# Altium PCB 200330 PI-CANTROLLER R0.PcbDoc (part 1 of 2) (continued)
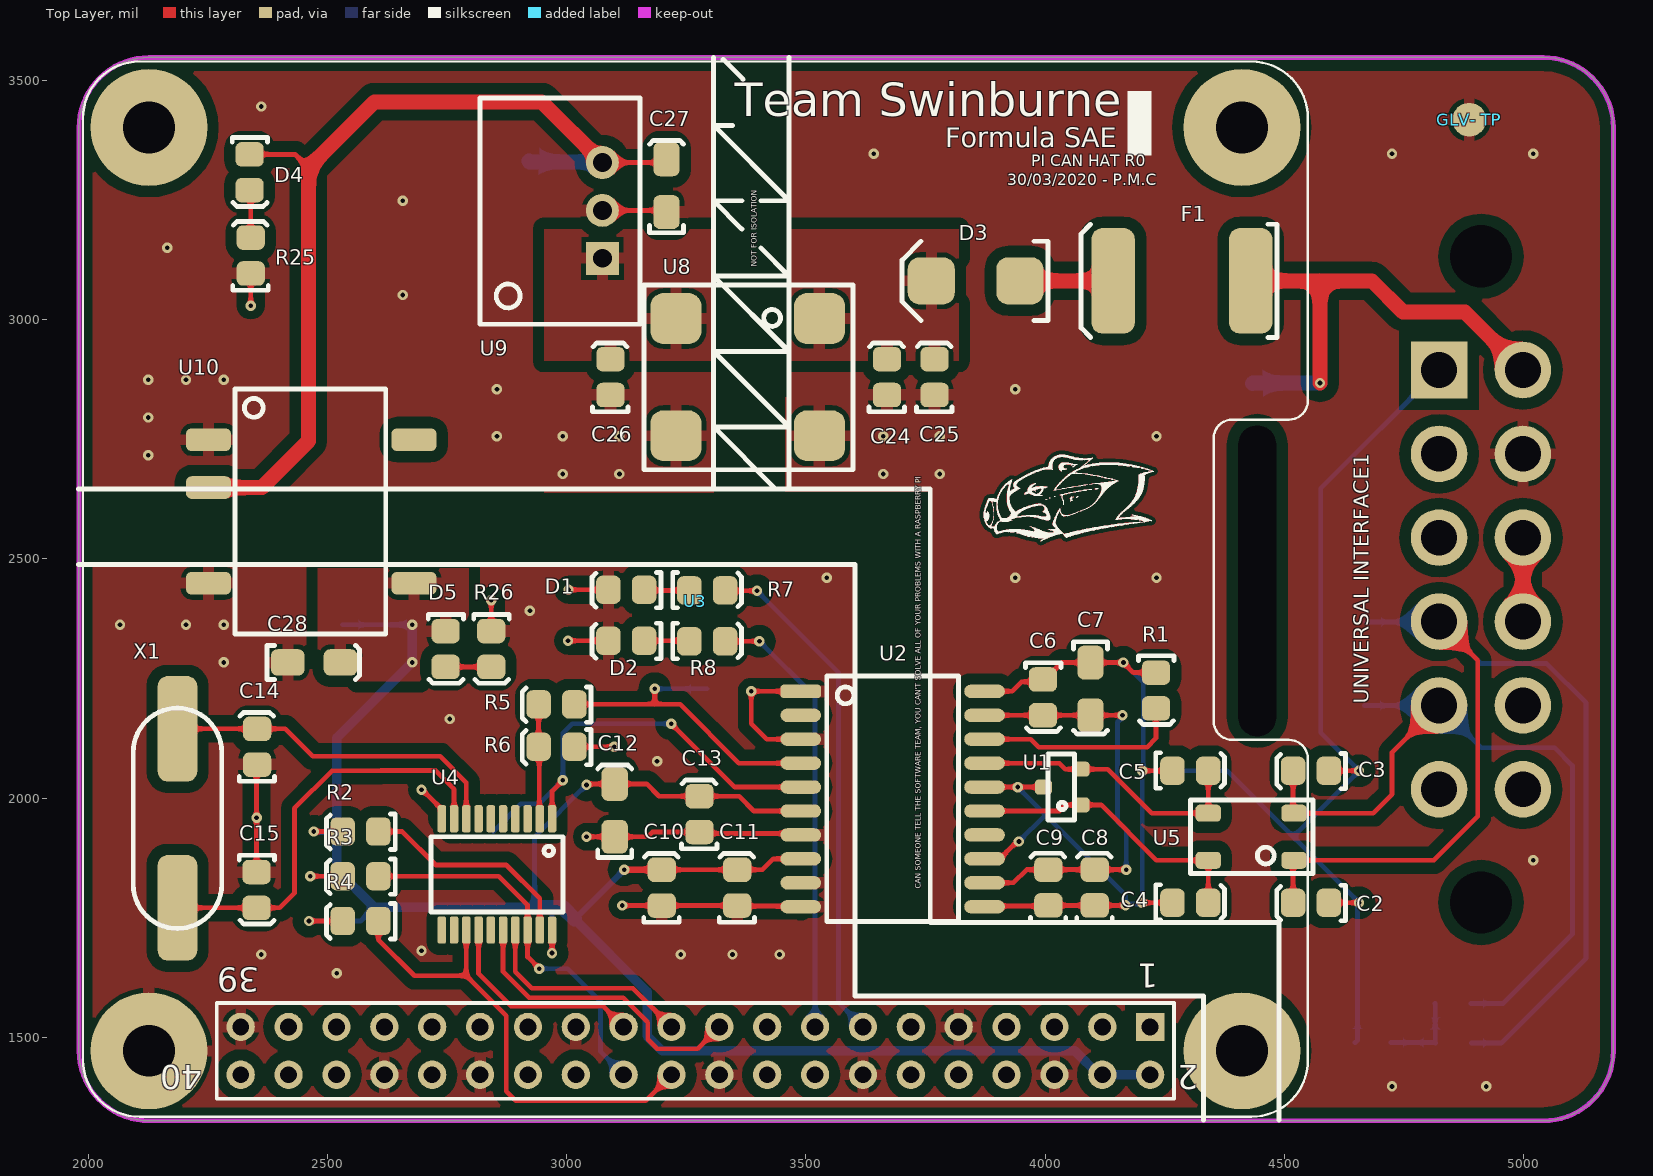
[diagram p0: Top Layer view]
## Nets (pads, with @x,y where several pads share a name; then routed paths per layer and width w, separated by ;. In a path a pad name is that pad's centre, name@x,y a point inside that pad or via, vN(x,y) a via of type N, cw(c..) or ccw(c..) an arc to the next point about the centre after c; other vN are vias at no path point) (continued)
  Bottom Layer w31.5: 2933.07,1771.65 2970.47,1771.65 2992.13,1771.65 3016.73,1747.05 ; U3.4@4111.61,1421.98 U3.4@4119.07,1421.98
12V/24V: C26.2 U8.2 U9.1
CAN1H: "CAN TERM R1.2" "CANL TP1.1" "UNIVERSAL INTERFACE1.5" C3.2 U5.2 | length 1648.7
  Top Layer w10: C3.2@4517.72,2057.09 4517.72,1970.47 U5.2@4519.69,1968.5 4685.04,1968.5 4724.41,2007.87 4724.41,2095.43 4822.64,2193.66
  Bottom Layer w10: 4666.34,2192.91 4666.71,2193.29 4822.26,2193.29 4822.64,2193.66 4910.98,2105.32 5063.98,2105.32 5101.38,2067.91 5101.38,1715.55 4956.74,1570.91 4889.29,1570.91
CAN1L: "CAN TERM R2.1" "CANH TP1.1" "UNIVERSAL INTERFACE1.4" C2.2 U5.1 | length 2331.7
  Top Layer w10: C2.2@4517.72,1781.5 4517.72,1868.11 U5.1@4519.69,1870.08 4812.01,1870.08 4903.54,1961.61 4903.54,2287.95 4822.64,2368.86
  Bottom Layer w10: 4668.31,2367.13 4669.17,2367.99 4821.77,2367.99 4822.64,2368.86 4910.4,2281.1 5047.64,2281.1 5129.92,2198.82 5129.92,1665.35 4952.76,1488.19 4889.76,1488.19
CAN2H: "UNIVERSAL INTERFACE1.3"
CAN2L: "UNIVERSAL INTERFACE1.2"
CAN3H: "UNIVERSAL INTERFACE1.7"
CAN3L: "UNIVERSAL INTERFACE1.6"
CANS: "UNIVERSAL INTERFACE1.1" C1.1 C2.1 C3.1 C4.1 C5.1 C6.1 C7.1 C8.1 C9.1 R1.1 U1.3 U2.11 U2.13 U2.16 U2.20 | length 4157.1
  Top Layer w10: U2.11@3873.12,1773.03 3874.5,1774.41 4005.05,1774.41 C9.1@4006.43,1775.79 C8.1@4103.39,1775.79 v1(4167.52,1775.79) ; U2.13@3873.08,1873.03 3905.02,1873.03 3941.44,1909.45 v1(3944.88,1909.45) ; U2.16@3873.08,2023.03 v1(3942.32,2023.03) U1.3@3996.06,2023.03 ; U2.20@3873.08,2223.03 3930.58,2223.03 3950.5,2242.95 3990.15,2242.95 C6.1@3995.03,2247.83 3998.97,2247.83 4034.41,2283.27 C7.1@4094.49,2283.27 v1(4163.19,2283.27) 4184.18,2262.28 R1.1@4231.25,2262.28 ; v1(4202.76,1781.5) C4.1@4265.75,1781.5 ; v1(4202.76,2057.09) C5.1@4265.75,2057.09 ; C2.1@4592.52,1781.5 v1(4655.51,1781.5) ; C3.1@4592.52,2057.09 v1(4655.51,2057.09)
  Bottom Layer w10: v1(3942.32,2023.03) 4002.36,1962.99 ; v1(3944.88,1909.45) 3998.43,1962.99 4002.36,1962.99 ; v1(4163.19,2283.27) 4204.72,2241.73 4204.72,2059.06 v1(4202.76,2057.09) ; C1.1@4647.17,1489.22 4652.45,1494.5 4652.45,1778.43 v1(4655.51,1781.5) 4517.72,1919.29 ; 4822.64,2894.45 4575.61,2647.43 4575.61,2136.98 v1(4655.51,2057.09) 4517.72,1919.29 ; 4002.36,1962.99 4167.52,1797.83 v1(4167.52,1775.79) 4170.38,1778.64 4199.9,1778.64 v1(4202.76,1781.5) v1(4202.76,2057.09) ; v1(4202.76,2057.09) 4379.92,2057.09 4517.72,1919.29
CE0: R3.1 U3.24 U4.18 | length 808.8
  Top Layer w10: R3.1@2606.77,1836.66 2858.22,1836.66 2918.31,1776.57 U4.18@2918.31,1724.41 2918.31,1668.3 v1(2942.91,1643.7)
  Bottom Layer w10: v1(2942.91,1643.7) 3001.97,1643.7 3070.87,1574.8 3070.87,1470.19 U3.24@3119.07,1421.98
CLK: U3.23 U4.14 | length 440.6
  Top Layer w10: U4.14@2815.94,1724.41 2815.94,1632.87 2883.86,1564.96 3076.09,1564.96 U3.23@3119.07,1521.98
GLV+: "GLV+ TP.1" "UNIVERSAL INTERFACE1.12" F1.1 | length 1000.6
  Top Layer w31.5: F1.1@4429.13,3080.71 4573.82,3080.71 ; v1(4573.82,2867.13) 4573.82,3080.71 ; 4997.83,2894.45 4876.54,3015.75 4747.05,3015.75 4682.09,3080.71 4573.82,3080.71
  Bottom Layer w31.5: 4433.07,2866.14 4434.06,2867.13 v1(4573.82,2867.13)
GLV-: "GLV- TP.1" "UNIVERSAL INTERFACE1.11" C24.1 C25.1 U8.4
  other v1: 4724.41,1397.64 4921.26,1397.64 5019.69,1870.08 3937.01,2460.63 4232.28,2460.63 3661.42,2677.17 3779.53,2677.17 3661.42,2755.91 3779.53,2755.91 4232.28,2755.91 3937.01,2854.33 3641.73,3346.46 4724.41,3346.46 5019.69,3346.46
"Green In": "UNIVERSAL INTERFACE1.9" "UNIVERSAL INTERFACE1.10" | length 175.2
  Top Layer w31.5: 4997.83,2368.86 4997.83,2544.06
INT: R4.1 U3.22 U4.13 | length 1000.5
  Top Layer w10: R4.1@2606.77,1743.16 2606.77,1704.25 2682.09,1628.94 2790.35,1628.94 ; U4.13@2790.35,1724.41 2790.35,1628.94 ; U3.22@3219.07,1421.98 3165.2,1368.11 2893.7,1368.11 2874.02,1387.8 2874.02,1545.28 2790.35,1628.94
MISO: U3.21 U4.17 | length 461.2
  Top Layer w10: U4.17@2892.72,1724.41 2892.72,1637.32 2927.39,1602.65 3138.41,1602.65 U3.21@3219.07,1521.98
MOSI: U3.19 U4.16 | length 645.4
  Top Layer w10: U4.16@2867.13,1724.41 2867.13,1637.45 2921.62,1582.96 3118.06,1582.96 3169.29,1531.73 3169.29,1496.06 3188.98,1476.38 3273.46,1476.38 U3.19@3319.07,1521.98
NetC1_2: "CAN TERM R1.1" "CAN TERM R2.2" C1.2 | length 177.4
  Bottom Layer w10: C1.2@4721.97,1489.22 4813.93,1489.22 4814.73,1488.43 ; 4814.01,1571.39 4814.49,1570.91 4814.73,1570.68 4814.73,1488.43 ; 4815.44,1487.71 4814.96,1488.19 4814.73,1488.43
NetC4_2: C4.2 U1.1 U2.15 U5.4 | length 609.1
  Top Layer w10: U2.15@3873.08,1973.03 4029.49,1973.03 4042.09,1985.63 U1.1@4074.8,1985.63 4116.73,1985.63 4232.28,1870.08 U5.4@4340.55,1870.08 C4.2@4340.55,1781.5
NetC5_2: C5.2 U1.2 U2.17 U5.3 | length 599.3
  Top Layer w10: U2.17@3873.08,2073.03 4029.49,2073.03 4042.09,2060.43 U1.2@4074.8,2060.43 4130.51,2060.43 4222.44,1968.5 U5.3@4340.55,1968.5 C5.2@4340.55,2057.09
NetC6_2: C6.2 C7.2 C8.2 C9.2 U2.12 U2.19 | length 930
  Top Layer w10: U2.12@3873.08,1823.03 3933.5,1823.03 3961.05,1850.59 C9.2@4006.43,1850.59 C8.2@4103.39,1850.59 v1(4169.09,1850.59) ; U2.19@3873.08,2173.03 C6.2@3995.03,2173.03 C7.2@4094.49,2173.03 v1(4161.22,2173.03)
  Bottom Layer w10: v1(4161.22,2173.03) 4161.22,2168.7 4150.7,2158.18 4150.7,1951.9 4169.09,1933.51 v1(4169.09,1850.59)
NetC24_2: C24.2 C25.2 D3.K U8.1
NetD1_A: D1.A R7.1 | length 95
  Top Layer w10: D1.A@3161.89,2435.24 3163.12,2434.01 R7.1@3256.42,2434.01
NetD2_A: D2.A R8.1 | length 95
  Top Layer w10: D2.A@3161.89,2328.79 3255.18,2328.79 R8.1@3256.42,2327.55
NetD3_A: D3.A F1.2 | length 194.9
  Top Layer w31.5: D3.A@3946.85,3080.71 F1.2@4141.73,3080.71
NetD4_K: D4.K R25.2 | length 100.3
  Top Layer w10: D4.K@2337.55,3270.16 2339.97,3267.74 R25.2@2339.97,3170.86
NetD5_K: D5.K R26.2 | length 95.4
  Top Layer w10: D5.K@2747.05,2274.1 R26.2@2842.47,2274.1
NetR1_2: R1.2 U2.18 | length 435.4
  Top Layer w10: U2.18@3873.08,2123.03 3969.49,2123.03 3986.22,2106.3 4212.6,2106.3 4231.25,2124.95 R1.2@4231.25,2187.48
NetR2_1: R2.1 U4.19 | length 461
  Top Layer w10: R2.1@2606.77,1930.17 2656.45,1930.17 2726.38,1860.24 2874.02,1860.24 2943.9,1790.35 U4.19@2943.9,1724.41
NetR5_2: R5.2 R6.2 U4.2 | length 240.3
  Top Layer w10: R5.2@2941.34,2195.91 R6.2@2941.34,2107.21 2942.62,2105.93 2942.62,1957.97 U4.2@2943.9,1956.69
RX: "CAN RX TP.1" R5.1 U2.4 | length 665.5
  Top Layer w10: R5.1@3016.14,2195.91 3184.06,2195.91 ; v1(3184.06,2228.35) 3184.06,2195.91 ; U2.4@3489.08,2073.03 3360.04,2073.03 3237.16,2195.91 3184.06,2195.91
  Bottom Layer w10: v1(3184.06,2228.35) 3293.31,2228.35
"RX INDC": R8.2 U3.15 | length 925.3
  Top Layer w10: R8.2@3331.22,2327.55 v1(3402.76,2327.55)
  Bottom Layer w10: v1(3402.76,2327.55) 3519.07,2211.24 U3.15@3519.07,1521.98
TX: "CAN TX TP.1" U2.5 U4.1 | length 938.6
  Top Layer w10: U4.1@2969.49,1956.69 2969.49,2014.76 v1(2992.13,2037.4) ; v1(3218.5,2155.51) 3350.98,2023.03 U2.5@3489.08,2023.03
  Bottom Layer w10: 2846.46,1930.12 2904.53,1988.19 2942.91,1988.19 v1(2992.13,2037.4) 2992.13,2135.83 3011.81,2155.51 v1(3218.5,2155.51)
"TX INDC": R7.2 U3.13 | length 1069.6
  Top Layer w10: R7.2@3331.22,2434.01 3332.16,2433.07 v1(3397.64,2433.07)
  Bottom Layer w10: v1(3397.64,2433.07) 3567.91,2262.8 3567.91,1573.14 U3.13@3619.07,1521.98
X1: C14.2 U4.8 X1.1 | length 725.8
  Top Layer w10: X1.1@2186.89,2144.8 C14.2@2353.39,2144.8 2412.28,2144.8 2469.84,2087.24 2735.59,2087.24 2790.35,2032.48 U4.8@2790.35,1956.69
X2: C15.2 U4.9 X1.2 | length 878.7
  Top Layer w10: X1.2@2186.89,1770.79 C15.2@2352.16,1770.79 2400.71,1770.79 2431.1,1801.18 2431.1,1978.35 2509.84,2057.09 2611.32,2057.09 2611.95,2057.72 2725.75,2057.72 2764.76,2018.7 U4.9@2764.76,1956.69
pads on no net: "UNIVERSAL INTERFACE1.0" U2.2 U2.14 U3.0@2127.34,3401.12 U3.0@4410.8,1471.98 U3.0@4410.8,3401.12 U3.1 U3.3 U3.5 U3.7 U3.8 U3.10 U3.11 U3.12 U3.16 U3.17 U3.18 U3.26 U3.27 U3.28 U3.29 U3.31 U3.32 U3.33 U3.35 U3.36 U3.37 U3.38 U3.40 U4.3 U4.4 U4.5 U4.6 U4.7 U4.11 U4.12 U4.15 U10.8

## Polygon pours and split planes (outlines as drawn)
"0V (ISO)" on Top Layer "Top Layer-0V (ISO)" (solid, remove dead copper, pour order 18): 3602.36,2488.19 3602.36,1586.61 4330.71,1586.61 4330.71,1325.79 1980.31,1325.79 1980.32,2488.19
GLV- on Top Layer "Top Layer-GLV-" (solid, remove dead copper, pour order 26): 3464.57,3547.24 3464.57,2645.67 3759.84,2645.67 3759.84,1740.16 4488.19,1740.16 4488.19,1326.77 5188.98,1326.77 5188.98,3547.35
0V on Top Layer "Top Layer-0V" (solid, remove dead copper, pour order 20): 1980.32,2645.67 3307.09,2645.67 3307.09,3547.24 1980.32,3547.24
"5V (ISO)" on Top Layer "Top Layer-5V (ISO)" (solid, pour order 14): 2480.32,2480.32 2795.28,2480.32 2795.28,2322.83 2716.54,2244.09 2480.32,2244.09
"0V (ISO)" on Top Layer "Top Layer-0V (ISO) 1" (solid, pour order 12): 2125.98,2480.32 2440.94,2480.32 2440.94,2244.09 2244.09,2244.09 2125.98,2362.2
GLV- on Top Layer "Top Layer-GLV- 1" (solid, pour order 8): 3456.69,2837.23 3818.9,2837.23 3818.9,2640.38 3456.69,2640.38
NetC24_2 on Top Layer "Top Layer-NetC24_2" (solid, pour order 6): 3464.57,3188.98 3818.9,3188.98 3818.9,2913.39 3464.57,2913.39
0V on Top Layer "Top Layer-0V 1" (solid, pour order 4): 2952.76,2834.65 3307.09,2834.65 3307.09,2637.8 2952.76,2637.8
12V/24V on Top Layer "Top Layer-12V/24V" (solid, pour order 2): 2952.76,3188.98 3307.09,3188.98 3307.09,2913.39 2952.76,2913.39
0V on Top Layer "Top Layer-0V 2" (solid, pour order 0): 2362.2,2952.76 2362.2,2677.17 2086.61,2677.17 2086.61,2952.76
no net on Top Layer "Top Layer-No Net" (solid, pour order 16): 1980.32,2488.19
"0V (ISO)" on Bottom Layer "Bottom Layer-0V (ISO)" (solid, remove dead copper, pour order 10): 4330.71,1326.77 4330.71,1586.61 3602.36,1586.61 3602.36,2488.19 1980.32,2488.19 1980.32,1325.7
GLV- on Bottom Layer "Bottom Layer-GLV-" (solid, remove dead copper, pour order 24): 3464.57,3547.24 3464.57,2645.67 3759.84,2645.67 3759.84,1740.16 4488.19,1740.16 4488.19,1326.77 5192.91,1326.77 5192.91,3547.24
0V on Bottom Layer "Bottom Layer-0V" (solid, remove dead copper, pour order 22): 1980.32,2645.67 3307.09,2645.67 3307.09,3547.24 1980.32,3547.24

## Keep-outs
Keep-Out Layer:
  the board outline again, w10

## Other copper
Top Layer:
  region: 4003.6,2624.08 4001.63,2624.08 4001.63,2623.43 4000.97,2623.43 4000.97,2624.08 4000.97,2624.74 4003.6,2624.74
  region: 191 vertices and 1 holes, not listed, extent 3955.63,2631.31 4003.6,2657.6
  region: 4055.52,2628.69 4056.18,2628.69 4056.18,2628.03 4055.52,2628.03 4055.52,2628.69 4054.21,2628.69 4054.21,2629.34 4055.52,2629.34
  region: 4054.86,2626.71 4054.86,2626.06 4054.86,2625.4 4056.18,2625.4 4056.18,2624.74 4053.55,2624.74 4053.55,2624.08 4053.55,2623.43 4053.55,2622.77 4057.49,2622.77 4057.49,2622.11 4055.52,2622.11 4055.52,2621.46 4054.21,2621.46 4054.21,2620.8 4052.89,2620.8 4052.89,2620.14 4052.23,2620.14 4052.23,2620.8 4052.23,2621.46 4052.89,2621.46 4052.89,2622.11 4052.89,2622.77 4052.89,2623.43 4052.89,2624.08 4052.89,2624.74 4052.23,2624.74 4052.23,2625.4 4051.58,2625.4 4051.58,2626.06 4051.58,2626.71 4052.23,2626.71 4052.23,2627.37 4054.86,2627.37
  region: 4058.81,2629.34 4059.46,2629.34 4059.46,2628.69 4058.81,2628.69 4058.81,2629.34 4057.49,2629.34 4057.49,2630 4058.81,2630
  region: 4035.8,2624.74 4036.46,2624.74 4036.46,2624.08 4036.46,2623.43 4037.12,2623.43 4037.12,2622.77 4037.12,2622.11 4037.78,2622.11 4037.78,2621.46 4037.78,2620.8 4037.78,2620.14 4037.78,2619.48 4037.78,2618.83 4038.43,2618.83 4038.43,2618.17 4038.43,2617.51 4038.43,2616.86 4037.78,2616.86 4037.78,2616.2 4037.78,2615.54 4037.78,2614.88 4037.78,2614.23 4037.78,2613.57 4037.78,2612.91 4037.12,2612.91 4037.12,2613.57 4037.12,2614.23 4037.12,2614.88 4037.12,2615.54 4037.12,2616.2 4037.12,2616.86 4037.12,2617.51 4037.12,2618.17 4037.12,2618.83 4037.12,2619.48 4037.12,2620.14 4037.12,2620.8 4037.12,2621.46 4036.46,2621.46 4036.46,2622.11 4036.46,2622.77 4035.8,2622.77 4035.8,2623.43 4035.8,2624.08 4035.8,2624.74 4035.15,2624.74 4035.15,2625.4 4035.8,2625.4
  region: 4010.17,2626.71 4009.52,2626.71 4009.52,2626.06 4007.55,2626.06 4007.55,2626.71 4008.2,2626.71 4008.2,2627.37 4010.17,2627.37
  region: 4045.66,2700.32 4048.95,2700.32 4048.95,2699.66 4052.89,2699.66 4052.89,2699 4052.89,2698.35 4057.49,2698.35 4057.49,2697.69 4066.03,2697.69 4066.03,2697.03 4064.06,2697.03 4064.06,2696.37 4063.41,2696.37 4063.41,2695.72 4062.75,2695.72 4062.75,2695.06 4061.43,2695.06 4061.43,2694.4 4060.78,2694.4 4060.78,2693.75 4059.46,2693.75 4059.46,2694.4 4060.12,2694.4 4060.12,2695.06 4058.15,2695.06 4058.15,2695.72 4057.49,2695.72 4057.49,2695.06 4055.52,2695.06 4055.52,2695.72 4053.55,2695.72 4053.55,2696.37 4045.66,2696.37 4045.66,2697.03 4041.72,2697.03 4041.72,2696.37 4038.43,2696.37 4038.43,2695.72 4038.43,2695.06 4037.78,2695.06 4037.78,2694.4 4037.12,2694.4 4037.12,2693.75 4037.12,2693.09 4037.12,2692.43 4037.12,2691.77 4037.12,2691.12 4037.12,2690.46 4037.78,2690.46 4037.78,2689.8 4038.43,2689.8 4038.43,2689.14 4039.09,2689.14 4039.09,2688.49 4040.4,2688.49 4040.4,2687.83 4044.35,2687.83 4044.35,2687.17 4041.72,2687.17 4041.72,2686.52 4035.15,2686.52 4035.15,2685.86 4034.49,2685.86 4034.49,2685.2 4033.83,2685.2 4033.83,2684.54 4033.83,2683.89 4033.83,2683.23 4033.83,2682.57 4033.18,2682.57 4033.18,2683.23 4032.52,2683.23 4032.52,2683.89 4031.86,2683.89 4031.86,2684.54 4031.2,2684.54 4031.2,2685.2 4030.55,2685.2 4030.55,2685.86 4029.89,2685.86 4029.89,2686.52 4029.23,2686.52 4029.23,2687.17 4029.23,2687.83 4028.58,2687.83 4028.58,2688.49 4028.58,2689.14 4028.58,2689.8 4027.92,2689.8 4027.92,2690.46 4027.92,2691.12 4027.92,2691.77 4027.92,2692.43 4027.92,2693.09 4027.92,2693.75 4027.92,2694.4 4028.58,2694.4 4028.58,2695.06 4028.58,2695.72 4029.23,2695.72 4029.23,2696.37 4029.23,2697.03 4030.55,2697.03 4030.55,2697.69 4031.2,2697.69 4031.2,2698.35 4031.86,2698.35 4031.86,2699 4032.52,2699 4032.52,2699.66 4033.83,2699.66 4033.83,2700.32 4035.8,2700.32 4035.8,2700.97 4045.66,2700.97
  region: 4058.81,2692.43 4058.15,2692.43 4058.15,2691.77 4057.49,2691.77 4057.49,2692.43 4057.49,2693.09 4058.81,2693.09
  region: 4134.38,2667.46 4137.01,2667.46 4137.01,2666.8 4140.29,2666.8 4140.29,2666.14 4140.95,2666.14 4140.95,2665.49 4144.24,2665.49 4144.24,2664.83 4146.21,2664.83 4146.21,2664.17 4144.24,2664.17 4144.24,2664.83 4140.95,2664.83 4140.95,2665.49 4138.32,2665.49 4138.32,2666.14 4137.01,2666.14 4137.01,2666.8 4134.38,2666.8 4134.38,2667.46 4131.09,2667.46 4131.09,2668.12 4134.38,2668.12
  region: 4103.49,2674.03 4108.09,2674.03 4108.09,2673.37 4112.04,2673.37 4112.04,2672.72 4112.04,2672.06 4115.98,2672.06 4115.98,2671.4 4112.04,2671.4 4112.04,2672.06 4108.75,2672.06 4108.75,2672.72 4108.09,2672.72 4108.09,2673.37 4103.49,2673.37 4103.49,2674.03 4099.55,2674.03 4099.55,2674.69 4103.49,2674.69
  region: 4110.06,2646.43 4108.09,2646.43 4108.09,2645.77 4103.49,2645.77 4103.49,2646.43 4105.46,2646.43 4105.46,2647.09 4110.06,2647.09
  region: 4119.92,2670.74 4123.21,2670.74 4123.21,2670.09 4126.49,2670.09 4126.49,2669.43 4127.15,2669.43 4127.15,2668.77 4130.44,2668.77 4130.44,2668.12 4127.15,2668.12 4127.15,2668.77 4123.87,2668.77 4123.87,2669.43 4123.21,2669.43 4123.21,2670.09 4119.92,2670.09 4119.92,2670.74 4116.64,2670.74 4116.64,2671.4 4119.92,2671.4
  region: 4068.01,2630 4068.01,2629.34 4066.69,2629.34 4066.69,2628.69 4066.03,2628.69 4066.03,2628.03 4064.72,2628.03 4064.72,2628.69 4065.38,2628.69 4065.38,2629.34 4066.03,2629.34 4066.03,2630 4066.69,2630 4066.69,2630.66 4068.01,2630.66
  region: 4020.03,2630 4020.03,2629.34 4017.4,2629.34 4017.4,2630 4018.72,2630 4018.72,2630.66 4020.03,2630.66
  region: 4088.38,2676.66 4093.64,2676.66 4093.64,2676 4094.29,2676 4094.29,2675.34 4098.89,2675.34 4098.89,2674.69 4094.29,2674.69 4094.29,2675.34 4089.04,2675.34 4089.04,2676 4088.38,2676 4088.38,2676.66 4083.12,2676.66 4083.12,2677.32 4088.38,2677.32
  region: 4096.92,2644.46 4091.66,2644.46 4091.66,2643.8 4085.75,2643.8 4085.75,2643.14 4085.09,2643.14 4085.09,2642.49 4079.83,2642.49 4079.83,2641.83 4074.58,2641.83 4074.58,2641.17 4069.98,2641.17 4069.98,2640.51 4065.38,2640.51 4065.38,2639.86 4063.41,2639.86 4063.41,2639.2 4060.12,2639.2 4060.12,2638.54 4056.18,2638.54 4056.18,2637.89 4052.23,2637.89 4052.23,2637.23 4048.29,2637.23 4048.29,2636.57 4046.98,2636.57 4046.98,2635.91 4044.35,2635.91 4044.35,2635.26 4041.06,2635.26 4041.06,2634.6 4039.09,2634.6 4039.09,2633.94 4036.46,2633.94 4036.46,2633.29 4035.8,2633.29 4035.8,2632.63 4035.8,2631.97 4035.15,2631.97 4035.15,2631.31 4035.15,2630.66 4035.15,2630 4035.15,2629.34 4035.15,2628.69 4035.15,2628.03 4035.15,2627.37 4035.15,2626.71 4034.49,2626.71 4034.49,2627.37 4034.49,2628.03 4034.49,2628.69 4034.49,2629.34 4034.49,2630 4034.49,2630.66 4034.49,2631.31 4034.49,2631.97 4034.49,2632.63 4034.49,2633.29 4032.52,2633.29 4032.52,2632.63 4029.89,2632.63 4029.89,2633.29 4030.55,2633.29 4030.55,2633.94 4033.18,2633.94 4033.18,2634.6 4036.46,2634.6 4036.46,2635.26 4039.75,2635.26 4039.75,2635.91 4042.38,2635.91 4042.38,2636.57 4044.35,2636.57 4044.35,2637.23 4047.63,2637.23 4047.63,2637.89 4050.92,2637.89 4050.92,2638.54 4055.52,2638.54 4055.52,2639.2 4058.81,2639.2 4058.81,2639.86 4060.12,2639.86 4060.12,2640.51 4064.06,2640.51 4064.06,2641.17 4068.66,2641.17 4068.66,2641.83 4073.26,2641.83 4073.26,2642.49 4077.86,2642.49 4077.86,2643.14 4079.83,2643.14 4079.83,2643.8 4085.09,2643.8 4085.09,2644.46 4091.01,2644.46 4091.01,2645.11 4096.92,2645.11
  region: 615 vertices and 0 holes, not listed, extent 4146.87,2576.77 4226.38,2684.54
  region: 1693 vertices and 5 holes, not listed, extent 3871.51,2536.68 4220.47,2717.4
Bottom Layer:
  region: 1693 vertices and 5 holes, not listed, extent 3871.51,2536.68 4220.47,2717.4
  region: 615 vertices and 0 holes, not listed, extent 4146.87,2576.77 4226.38,2684.54
  region: 4096.92,2644.46 4091.66,2644.46 4091.66,2643.8 4085.75,2643.8 4085.75,2643.14 4085.09,2643.14 4085.09,2642.49 4079.83,2642.49 4079.83,2641.83 4074.58,2641.83 4074.58,2641.17 4069.98,2641.17 4069.98,2640.51 4065.38,2640.51 4065.38,2639.86 4063.41,2639.86 4063.41,2639.2 4060.12,2639.2 4060.12,2638.54 4056.18,2638.54 4056.18,2637.89 4052.23,2637.89 4052.23,2637.23 4048.29,2637.23 4048.29,2636.57 4046.98,2636.57 4046.98,2635.91 4044.35,2635.91 4044.35,2635.26 4041.06,2635.26 4041.06,2634.6 4039.09,2634.6 4039.09,2633.94 4036.46,2633.94 4036.46,2633.29 4035.8,2633.29 4035.8,2632.63 4035.8,2631.97 4035.15,2631.97 4035.15,2631.31 4035.15,2630.66 4035.15,2630 4035.15,2629.34 4035.15,2628.69 4035.15,2628.03 4035.15,2627.37 4035.15,2626.71 4034.49,2626.71 4034.49,2627.37 4034.49,2628.03 4034.49,2628.69 4034.49,2629.34 4034.49,2630 4034.49,2630.66 4034.49,2631.31 4034.49,2631.97 4034.49,2632.63 4034.49,2633.29 4032.52,2633.29 4032.52,2632.63 4029.89,2632.63 4029.89,2633.29 4030.55,2633.29 4030.55,2633.94 4033.18,2633.94 4033.18,2634.6 4036.46,2634.6 4036.46,2635.26 4039.75,2635.26 4039.75,2635.91 4042.38,2635.91 4042.38,2636.57 4044.35,2636.57 4044.35,2637.23 4047.63,2637.23 4047.63,2637.89 4050.92,2637.89 4050.92,2638.54 4055.52,2638.54 4055.52,2639.2 4058.81,2639.2 4058.81,2639.86 4060.12,2639.86 4060.12,2640.51 4064.06,2640.51 4064.06,2641.17 4068.66,2641.17 4068.66,2641.83 4073.26,2641.83 4073.26,2642.49 4077.86,2642.49 4077.86,2643.14 4079.83,2643.14 4079.83,2643.8 4085.09,2643.8 4085.09,2644.46 4091.01,2644.46 4091.01,2645.11 4096.92,2645.11
  region: 191 vertices and 1 holes, not listed, extent 3955.63,2631.31 4003.6,2657.6
  region: 4088.38,2676.66 4093.64,2676.66 4093.64,2676 4094.29,2676 4094.29,2675.34 4098.89,2675.34 4098.89,2674.69 4094.29,2674.69 4094.29,2675.34 4089.04,2675.34 4089.04,2676 4088.38,2676 4088.38,2676.66 4083.12,2676.66 4083.12,2677.32 4088.38,2677.32
  region: 4119.92,2670.74 4123.21,2670.74 4123.21,2670.09 4126.49,2670.09 4126.49,2669.43 4127.15,2669.43 4127.15,2668.77 4130.44,2668.77 4130.44,2668.12 4127.15,2668.12 4127.15,2668.77 4123.87,2668.77 4123.87,2669.43 4123.21,2669.43 4123.21,2670.09 4119.92,2670.09 4119.92,2670.74 4116.64,2670.74 4116.64,2671.4 4119.92,2671.4
  region: 4110.06,2646.43 4108.09,2646.43 4108.09,2645.77 4103.49,2645.77 4103.49,2646.43 4105.46,2646.43 4105.46,2647.09 4110.06,2647.09
  region: 4103.49,2674.03 4108.09,2674.03 4108.09,2673.37 4112.04,2673.37 4112.04,2672.72 4112.04,2672.06 4115.98,2672.06 4115.98,2671.4 4112.04,2671.4 4112.04,2672.06 4108.75,2672.06 4108.75,2672.72 4108.09,2672.72 4108.09,2673.37 4103.49,2673.37 4103.49,2674.03 4099.55,2674.03 4099.55,2674.69 4103.49,2674.69
  region: 4134.38,2667.46 4137.01,2667.46 4137.01,2666.8 4140.29,2666.8 4140.29,2666.14 4140.95,2666.14 4140.95,2665.49 4144.24,2665.49 4144.24,2664.83 4146.21,2664.83 4146.21,2664.17 4144.24,2664.17 4144.24,2664.83 4140.95,2664.83 4140.95,2665.49 4138.32,2665.49 4138.32,2666.14 4137.01,2666.14 4137.01,2666.8 4134.38,2666.8 4134.38,2667.46 4131.09,2667.46 4131.09,2668.12 4134.38,2668.12
  region: 4058.81,2692.43 4058.15,2692.43 4058.15,2691.77 4057.49,2691.77 4057.49,2692.43 4057.49,2693.09 4058.81,2693.09
  region: 4045.66,2700.32 4048.95,2700.32 4048.95,2699.66 4052.89,2699.66 4052.89,2699 4052.89,2698.35 4057.49,2698.35 4057.49,2697.69 4066.03,2697.69 4066.03,2697.03 4064.06,2697.03 4064.06,2696.37 4063.41,2696.37 4063.41,2695.72 4062.75,2695.72 4062.75,2695.06 4061.43,2695.06 4061.43,2694.4 4060.78,2694.4 4060.78,2693.75 4059.46,2693.75 4059.46,2694.4 4060.12,2694.4 4060.12,2695.06 4058.15,2695.06 4058.15,2695.72 4057.49,2695.72 4057.49,2695.06 4055.52,2695.06 4055.52,2695.72 4053.55,2695.72 4053.55,2696.37 4045.66,2696.37 4045.66,2697.03 4041.72,2697.03 4041.72,2696.37 4038.43,2696.37 4038.43,2695.72 4038.43,2695.06 4037.78,2695.06 4037.78,2694.4 4037.12,2694.4 4037.12,2693.75 4037.12,2693.09 4037.12,2692.43 4037.12,2691.77 4037.12,2691.12 4037.12,2690.46 4037.78,2690.46 4037.78,2689.8 4038.43,2689.8 4038.43,2689.14 4039.09,2689.14 4039.09,2688.49 4040.4,2688.49 4040.4,2687.83 4044.35,2687.83 4044.35,2687.17 4041.72,2687.17 4041.72,2686.52 4035.15,2686.52 4035.15,2685.86 4034.49,2685.86 4034.49,2685.2 4033.83,2685.2 4033.83,2684.54 4033.83,2683.89 4033.83,2683.23 4033.83,2682.57 4033.18,2682.57 4033.18,2683.23 4032.52,2683.23 4032.52,2683.89 4031.86,2683.89 4031.86,2684.54 4031.2,2684.54 4031.2,2685.2 4030.55,2685.2 4030.55,2685.86 4029.89,2685.86 4029.89,2686.52 4029.23,2686.52 4029.23,2687.17 4029.23,2687.83 4028.58,2687.83 4028.58,2688.49 4028.58,2689.14 4028.58,2689.8 4027.92,2689.8 4027.92,2690.46 4027.92,2691.12 4027.92,2691.77 4027.92,2692.43 4027.92,2693.09 4027.92,2693.75 4027.92,2694.4 4028.58,2694.4 4028.58,2695.06 4028.58,2695.72 4029.23,2695.72 4029.23,2696.37 4029.23,2697.03 4030.55,2697.03 4030.55,2697.69 4031.2,2697.69 4031.2,2698.35 4031.86,2698.35 4031.86,2699 4032.52,2699 4032.52,2699.66 4033.83,2699.66 4033.83,2700.32 4035.8,2700.32 4035.8,2700.97 4045.66,2700.97
  region: 4010.17,2626.71 4009.52,2626.71 4009.52,2626.06 4007.55,2626.06 4007.55,2626.71 4008.2,2626.71 4008.2,2627.37 4010.17,2627.37
  region: 4020.03,2630 4020.03,2629.34 4017.4,2629.34 4017.4,2630 4018.72,2630 4018.72,2630.66 4020.03,2630.66
  region: 4035.8,2624.74 4036.46,2624.74 4036.46,2624.08 4036.46,2623.43 4037.12,2623.43 4037.12,2622.77 4037.12,2622.11 4037.78,2622.11 4037.78,2621.46 4037.78,2620.8 4037.78,2620.14 4037.78,2619.48 4037.78,2618.83 4038.43,2618.83 4038.43,2618.17 4038.43,2617.51 4038.43,2616.86 4037.78,2616.86 4037.78,2616.2 4037.78,2615.54 4037.78,2614.88 4037.78,2614.23 4037.78,2613.57 4037.78,2612.91 4037.12,2612.91 4037.12,2613.57 4037.12,2614.23 4037.12,2614.88 4037.12,2615.54 4037.12,2616.2 4037.12,2616.86 4037.12,2617.51 4037.12,2618.17 4037.12,2618.83 4037.12,2619.48 4037.12,2620.14 4037.12,2620.8 4037.12,2621.46 4036.46,2621.46 4036.46,2622.11 4036.46,2622.77 4035.8,2622.77 4035.8,2623.43 4035.8,2624.08 4035.8,2624.74 4035.15,2624.74 4035.15,2625.4 4035.8,2625.4
  region: 4068.01,2630 4068.01,2629.34 4066.69,2629.34 4066.69,2628.69 4066.03,2628.69 4066.03,2628.03 4064.72,2628.03 4064.72,2628.69 4065.38,2628.69 4065.38,2629.34 4066.03,2629.34 4066.03,2630 4066.69,2630 4066.69,2630.66 4068.01,2630.66
  region: 4003.6,2624.08 4001.63,2624.08 4001.63,2623.43 4000.97,2623.43 4000.97,2624.08 4000.97,2624.74 4003.6,2624.74
  region: 4058.81,2629.34 4059.46,2629.34 4059.46,2628.69 4058.81,2628.69 4058.81,2629.34 4057.49,2629.34 4057.49,2630 4058.81,2630
  region: 4054.86,2626.71 4054.86,2626.06 4054.86,2625.4 4056.18,2625.4 4056.18,2624.74 4053.55,2624.74 4053.55,2624.08 4053.55,2623.43 4053.55,2622.77 4057.49,2622.77 4057.49,2622.11 4055.52,2622.11 4055.52,2621.46 4054.21,2621.46 4054.21,2620.8 4052.89,2620.8 4052.89,2620.14 4052.23,2620.14 4052.23,2620.8 4052.23,2621.46 4052.89,2621.46 4052.89,2622.11 4052.89,2622.77 4052.89,2623.43 4052.89,2624.08 4052.89,2624.74 4052.23,2624.74 4052.23,2625.4 4051.58,2625.4 4051.58,2626.06 4051.58,2626.71 4052.23,2626.71 4052.23,2627.37 4054.86,2627.37
  region: 4055.52,2628.69 4056.18,2628.69 4056.18,2628.03 4055.52,2628.03 4055.52,2628.69 4054.21,2628.69 4054.21,2629.34 4055.52,2629.34

## Silkscreen, mask and mechanical layers (free items; w line width, h text height)
Top Overlay:
  drawing of 46 lines, arcs and shapes, not listed
  text "Team Swinburne" at 3350.83,3401.44 h120
  text "Formula SAE" at 3790.83,3346.44 h70
  text "PI CAN HAT R0" at 3970.94,3311.44 h40
  text "30/03/2020 - P.M.C" at 3920.36,3272.51 h40
  text "NOT FOR ISOLATION" at 3397.64,3110.24 h11.81 r90
  text "CAN SOMEONE TELL THE SOFTWARE TEAM, YOU CAN'T SOLVE ALL OF YOUR PROBLEMS WITH A RASPBERRY PI" at 3740.16,1811.02 h11.81 r90
Bottom Overlay:
  lines w10: 1980.32,2490.16 3602.36,2490.16 3602.36,1588.58 4330.71,1588.58 4330.71,1328.74 ; 1980.32,2647.64 3759.84,2647.64 3759.84,1742.13 4488.19,1742.13 4488.19,1328.74 ; 3307.09,2647.64 3307.09,3549.21 ; 3464.57,2647.64 3464.57,3549.21
  text "OPTIONAL CAN TERM" at 4959.65,1354.33 h31.5 r270